# Altium PCB Time4CM4_PCIeCarrier_PCB.PcbDoc (part 3 of 5) (continued)
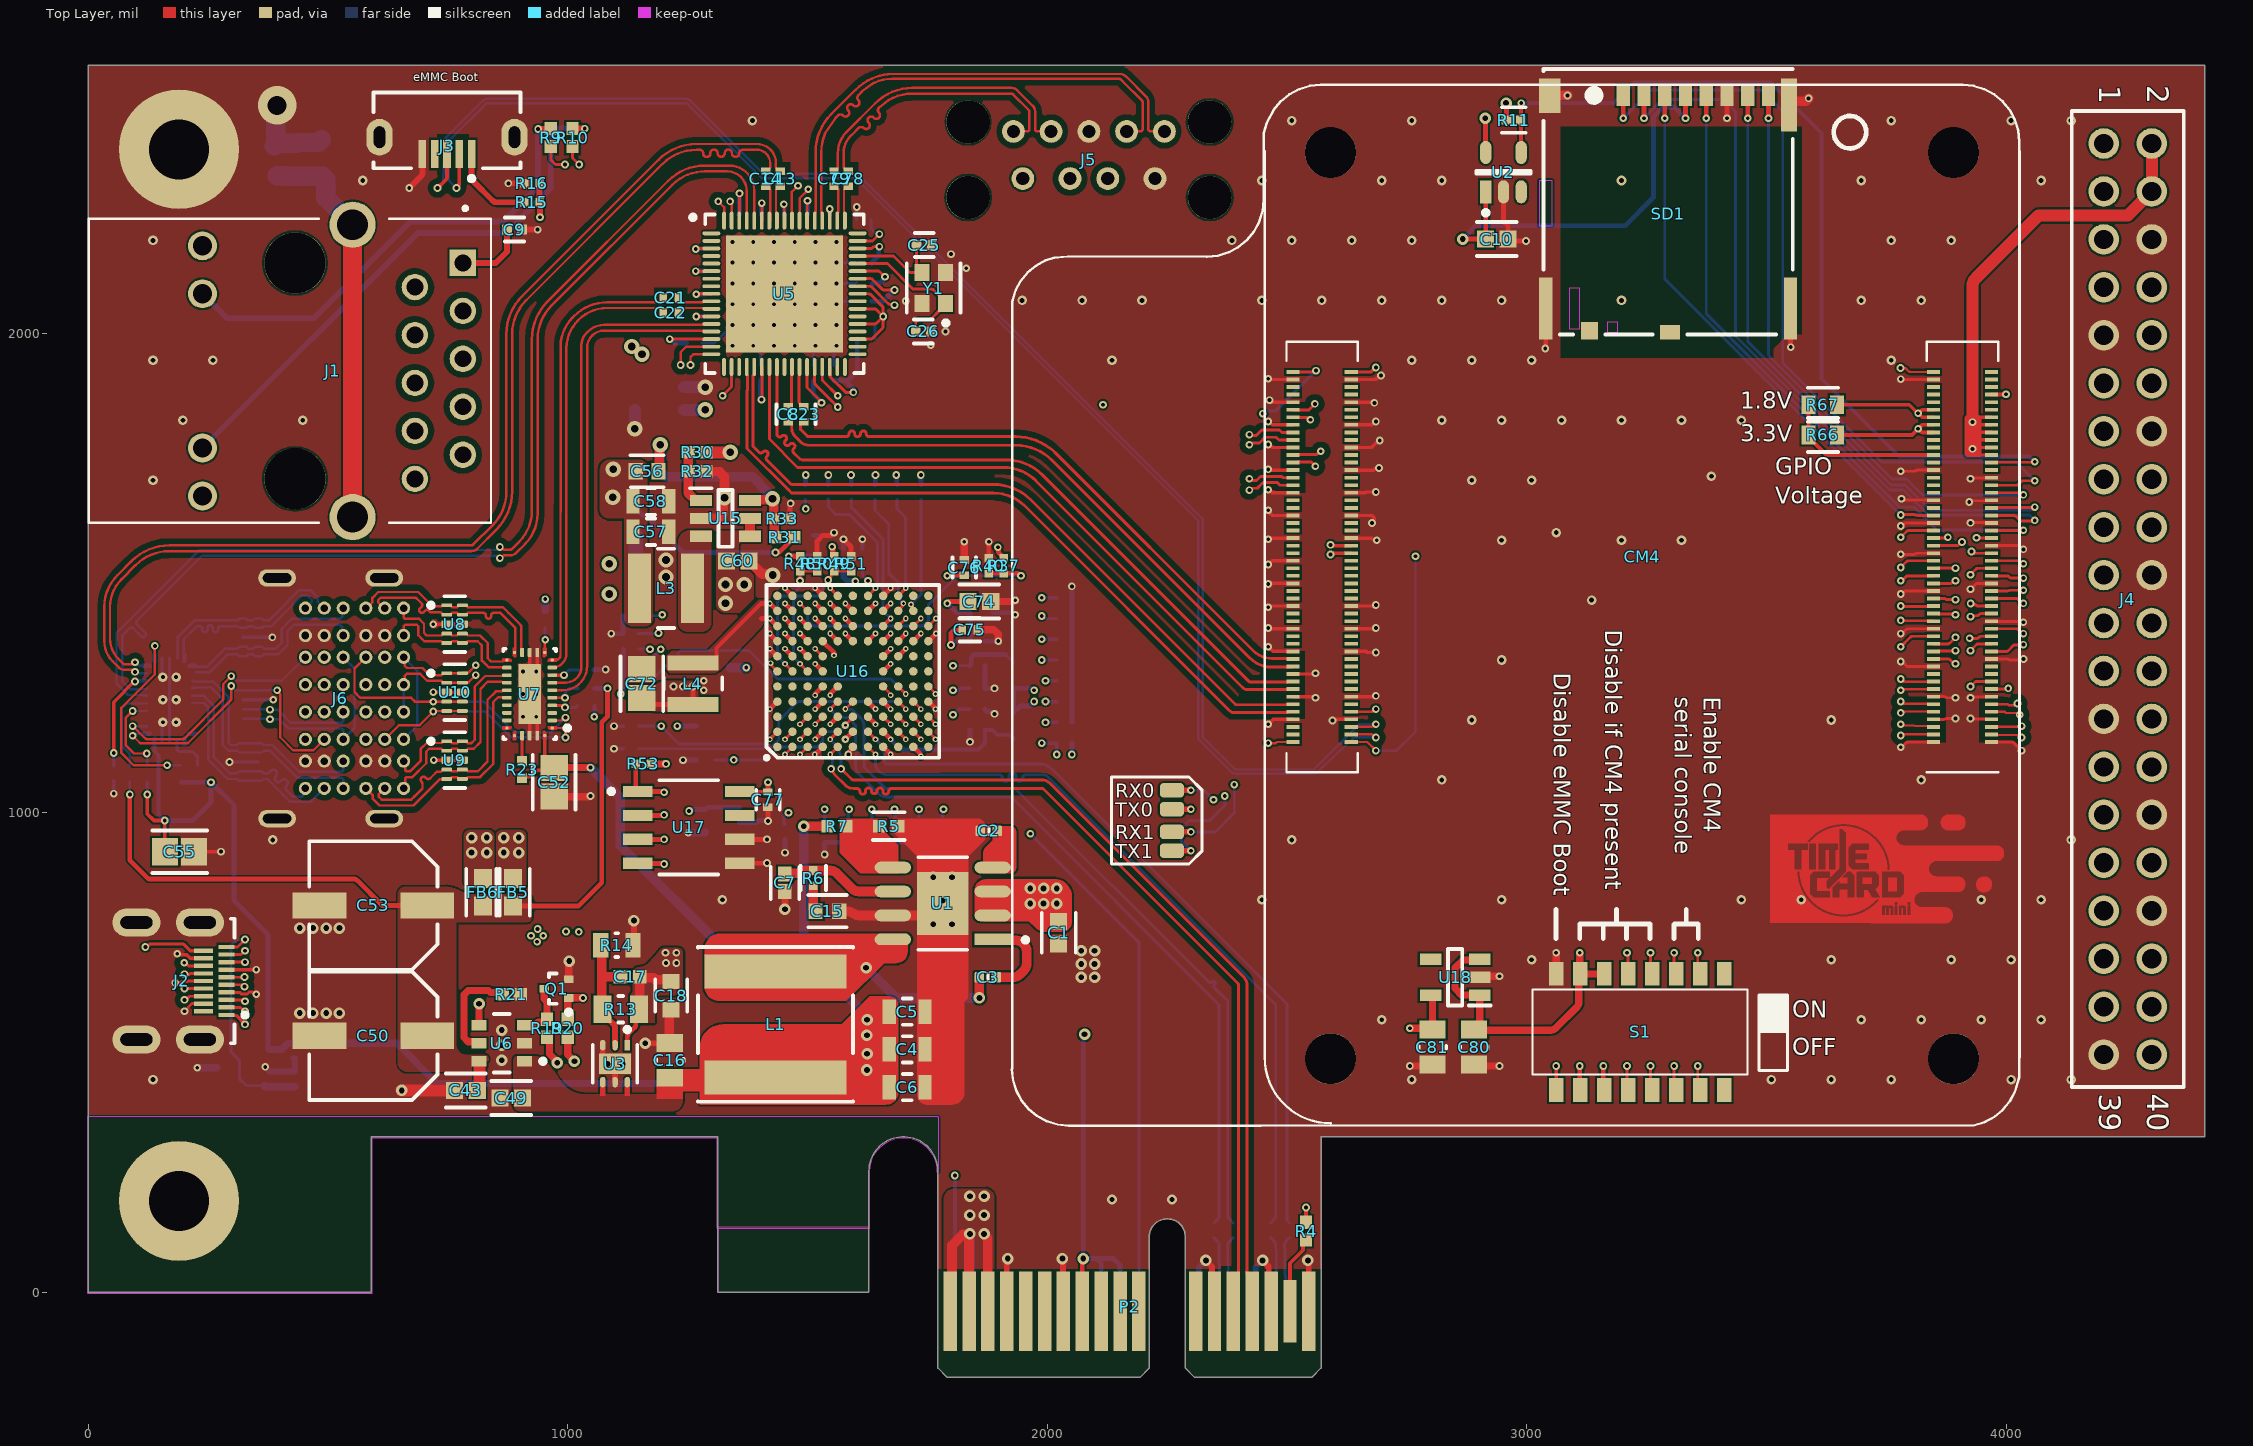
[diagram p0: Top Layer view]
## Nets (pads, with @x,y where several pads share a name; then routed paths per layer and width w, separated by ;. In a path a pad name is that pad's centre, name@x,y a point inside that pad or via, vN(x,y) a via of type N, cw(c..) or ccw(c..) an arc to the next point about the centre after c; other vN are vias at no path point) (continued)
  Top Layer w10: R14.1@1135.86,724.41 R14.1@1137.8,726.34 ; U17.5@1358.27,894.88 1358.66,895.28 1414.96,895.28 v1(1415.35,895.67) ; U17.6@1358.27,944.88 v1(1415.35,944.88) ; v1(1417.32,983.27) C77.1@1417.32,1011.81 ; v3(1421.26,1216.54) U16.A4@1437.01,1232.28 ; v3(1421.26,1342.52) U16.A7@1437.01,1326.77 ; v3(1421.26,1374.02) U16.A8@1437.01,1358.27 ; v3(1452.76,1342.52) U16.B7@1468.5,1326.77 ; v3(1452.76,1374.02) U16.B8@1468.5,1358.27 ; R33.1@1463.58,1613.19 1463.58,1644.69 v1(1464.57,1645.67) ; v3(1484.25,1374.02) U16.C8@1500,1358.27 ; v3(1515,1122.05) ccw(c1509.73,1130.55) 1516.78,1123.46 1529.71,1136.38 cw(c1536.76,1129.3) U16.D1@1531.5,1137.8 ; v3(1515.75,1153.54) U16.D2@1531.5,1169.29 ; v3(1515.75,1216.54) U16.D4@1531.5,1232.28 ; v3(1515.75,1311.02) U16.D6@1531.5,1295.28 ; v3(1515.75,1437.01) U16.D10@1531.5,1421.26 ; v3(1515.75,1468.5) U16.D11@1531.5,1452.76 ; R50.1@1519.68,1535.43 1519.68,1566.93 1531.5,1578.74 1549.21,1578.74 v1(1555.11,1584.64) ; U16.D8@1531.5,1358.27 1530.82,1358.27 1555.12,1333.97 v3(1555.12,1328.74) ; v3(1547.24,1185.04) U16.E3@1562.99,1200.79 ; v3(1547.24,1245.54) 1547.63,1245.93 1547.63,1248.41 U16.E5@1562.99,1263.78 ; v3(1547.24,1405.51) U16.E9@1562.99,1389.76 ; v1(1574.8,1570.87) 1590.55,1555.12 R51.1@1590.55,1535.43 ; v8(1578.74,1153.54) U16.F2@1594.49,1169.29 ; v3(1578.74,1374.02) U16.F8@1594.49,1358.27 ; v1(1585,1122.05) ccw(c1576.15,1126.7) 1585.58,1123.37 cw(c1595,1120.01) 1585.6,1123.44 1586.73,1126.6 cw(c1596.15,1123.22) 1589.06,1130.28 1591.85,1133.07 ccw(c1584.76,1140.12) U16.F1@1594.49,1137.8 ; U16.G3@1625.98,1200.79 1641.73,1185.04 v3(1641.73,1184.79) ; U16.G4@1625.98,1232.28 1641.48,1216.79 v3(1641.73,1216.79) ; U16.H1@1657.48,1137.8 v3(1673.23,1122.05) ; U16.H4@1657.48,1232.28 v3(1673.23,1216.54) ; U16.H6@1657.48,1295.28 v3(1673.23,1311.02) ; U16.H8@1657.48,1358.27 v3(1673.23,1374.02) ; U16.H11@1657.48,1452.76 v3(1673.23,1468.5) ; U16.L4@1751.97,1232.28 1766.14,1218.11 1766.14,1216.92 v3(1766.53,1216.54) ; U16.L8@1751.97,1358.27 v3(1767.72,1374.02) ; R40.1@1877.95,1531.5 v1(1877.95,1565.71) ; U2.2@2951.2,2295.28 2951.2,2233.84 2960.65,2224.39 C10.2@2960.65,2196.85 2964.59,2192.91 v1(2998.03,2192.91) ; v1(3038.39,1968.5) 3039.37,1969.49 SD1.13@3039.37,2051.97 ; v1@3417.32,2448.86 SD1.6@3417.32,2496.06 ; SD1.12@3549.61,2051.97 3549.61,1972.05 v1(3550.2,1971.46)
  Top Layer w12: v1@669.3,2303.16 693.36,2327.22 ccw(c684.85,2335.68) 696.85,2335.68 J3.5@696.85,2374.21 ; v1(875.98,2312.99) R16.1@909.45,2312.99 ; C9.2@904.53,2216.54 v1(937.01,2216.54) ; U3.3@1072.83,515.75 1072.83,492.9 1088.49,477.24 U3.7@1098.43,477.24 ; U3.5@1098.43,438.74 U3.7@1098.43,477.24 ; U3.7@1125.89,476.38 U3.7@1098.43,477.24 ; R14.1@1137.8,726.34 v4(1137.8,775.59) ; v4(1161.42,519.69) C16.2@1211.61,519.69 ; P2.B4@1915.41,-39 1915.41,68.95 v4(1917.32,70.87) ; v4(2031.5,70.87) 2032.51,69.85 2032.51,37.5 P2.B7@2033.52,-39 ; v4(2330.71,66.93) 2330.71,66.61 2343.42,53.9 2343.42,-33.94 P2.B13@2348.48,-39 ; v4(2448.82,66.93) 2448.82,66.61 2461.53,53.9 2461.53,-33.94 P2.B16@2466.59,-39 ; v4(2543.31,66.93) 2545.33,64.91 P2.B18@2545.33,-39
  Top Layer w15: C52.2@971.46,1033.9 1045.44,1033.9 1046.97,1035.43 v1(1047.24,1035.43) ; Q1.2@1001.97,653.54 v4@1001.97,688.98 ; v4(1452.76,799.21) C7.2@1452.76,836 ; C76.1@1826.77,1527.56 v1(1826.77,1565.71) ; C75.1@1854.33,1381.89 1888.85,1381.89 1897.64,1373.1 v1(1897.64,1358.27) ; C74.2@1881.91,1440.94 1930.24,1440.94 1932.8,1443.5 v1(1933.07,1443.5) ; v1(2755.91,472.44) 2800.2,472.44 C81.2@2803.15,475.39 ; C80.2@2889.76,475.39 2892.72,472.44 v1(2942.91,472.44) ; U18.2@2901.57,657.48 2903.54,659.45 v1(2942.91,659.45) ; v1(3061.02,708.66) 3061.02,708.39 3061.22,708.19 S1.8@3061.22,664.37
  Top Layer w20: C16.2@1211.61,519.69 1211.61,585.63 C18.2@1215.55,589.57 ; U15.2@1277.56,1614.17 1315.06,1614.17 1324.48,1623.59 1324.48,1655.18 v6(1326.77,1657.48) 1326.77,1700.88 1316.22,1711.43 1289.55,1711.43 R32.1@1288.39,1712.6 ; C60.2@1377.95,1525.59 1405.16,1498.36 1424.87,1498.36 v6(1427.17,1496.06) ; C15.2@1566.02,795.28 1570.95,795.28 1582.27,795.28 cw(c1582.27,775.28) 1593.51,791.81 1596.56,789.74 ccw(c1607.89,806.22) 1607.89,786.22 U1.7@1677.85,786.22 1756.84,786.22 U1.9@1781.84,811.22 ; SD1.14@3048.03,2495.47 3048.87,2496.32 v1(3084.65,2496.32) ; SD1.11@3546.46,2476.38 3546.46,2477.3 3553.39,2484.23 3581.67,2484.23 v1(3587.6,2490.16)
  Top Layer w25: v4(653.54,421.26) C43.2@763.76,421.26
  Bottom Layer w6: R44.1@1114.35,1410.25 R44.1@1115.16,1411.06 ; C36.1@1279.53,1980.32 1306.1,1980.32 v5(1343.5,2017.72) ; v5@1339.8,2190.94 v5(1343.5,2190.94) ; v5(1386.81,1974.41) 1401.57,1959.65 C39.1@1401.57,1933.07 ; C27.1@1511.81,1933.07 1511.81,1965.78 1516.73,1970.71 v5(1516.73,1974.41) ; C42.1@1555.12,1933.07 1555.12,1965.78 1560.04,1970.71 v5(1560.04,1974.41) ; v5(1560.04,2061.02) 1563.74,2061.02 1569.65,2066.93 C28.1@1602.36,2066.93 ; v5(1560.04,2104.33) 1600.39,2104.33 C40.1@1602.36,2106.3 ; v5(1560.04,2147.64) 1600.39,2147.64 C41.1@1602.36,2145.67 ; R18.1@1602.36,2236.22 v1(1602.36,2263.78)
  Bottom Layer w7: v1(53.15,1040.35) C54.2@53.15,1066.93 ; U11.29@153.54,1149.61 153.54,1187.01 v7(155.51,1188.98) ; U11.12@153.54,1322.83 153.54,1285.43 v7(155.51,1283.46) ; U11.28@169.29,1149.61 U11.31@169.29,1236.22 U11.13@169.29,1322.83 ; v1(294.29,1106.3) U13.8@321.46,1106.3 U13.3@354.33,1106.3 ; U12.8@322.15,1366.14 U12.3@355.02,1366.14 v1(383.86,1366.14) ; U14.3@322.83,1236.22 U14.8@355.71,1236.22 v1(385.83,1236.22) ; v1(1096.46,1133.86) R2.1@1116.14,1133.86 ; v1(1096.46,1181.1) R52.2@1116.14,1181.1
  Bottom Layer w10: C51.2@1054.13,1298.23 1055.12,1299.21 v1(1078.74,1299.21) ; v1(1090.55,1374.02) 1091,1373.57 R43.1@1115.16,1373.57 R44.1@1115.16,1411.06 ; C19.2@1139.76,1840.53 C19.2@1143.72,1844.49 ; v1(1240.16,1110.24) R34.2@1267.72,1110.24 ; C70.1@1358.27,980.32 1393.7,980.32 1397.64,984.25 1416.34,984.25 v1(1417.32,983.27) ; v1(1452.76,917.32) R56.2@1452.76,944.88 ; R42.1@1494.63,1685.04 1495.35,1685.76 1495.35,1704.01 v1(1496.06,1704.72) ; C65.2@1511.83,1578.74 1549.21,1578.74 v1(1555.11,1584.64) ; v1(1535.43,913.39) R55.2@1535.43,938.98 R59.2@1584.65,938.98 R57.2@1633.86,938.98 R54.2@1683.07,938.98 R58.2@1732.28,938.98 R1.1@1781.5,938.98 ; R41.1@1542.95,1685.04 1543.13,1685.22 1543.13,1704.55 v1(1543.31,1704.72) ; C64.1@1574.8,1551.18 v1(1574.8,1570.87) ; v1(1590.55,1704.72) 1590.91,1704.37 1590.91,1685.4 R39.1@1591.27,1685.04 ; C69.1@1614.17,1551.18 v1(1614.17,1570.87) ; R36.1@1640.66,1685.04 1641.19,1685.58 1641.19,1704.19 v1(1641.73,1704.72) ; v1(1685.04,1704.72) 1685.93,1703.83 1685.93,1685.93 R38.1@1686.83,1685.04 ; R35.1@1736.22,1685.04 v1(1736.22,1704.72) ; v1(1838.58,1148.23) C73.1@1838.58,1173.23 ; C62.1@1870.08,1216.54 1870.08,1214.57 1872.95,1211.69 1881.17,1211.69 1883.26,1209.6 1885.14,1209.6 1888.14,1206.6 v1(1889.76,1206.6) ; C68.1@1870.08,1307.09 C63.1@1870.08,1259.84 v1(1889.76,1259.84) ; C67.1@1870.08,1358.27 v1(1897.64,1358.27) ; C66.2@1885.85,1417.32 1927.51,1417.32 1931.45,1413.39 v1(1933.07,1413.39) ; R60.2@2051.18,1188.98 R65.1@2051.18,1318.9 R8.1@2051.18,1448.82 v1(2051.18,1472.44)
  Bottom Layer w12: v1(369.09,470.47) 369.09,470.03 378.12,461 430.73,461 431.1,461.38 C48.1@431.1,488.19 427.63,488.19 C48.1@427.26,487.82 ; P2.A4@1915.41,-39 1915.41,68.95 v4(1917.32,70.87) ; P2.A12@2309.11,-39 2315.92,-32.19 2315.92,52.14 v4(2330.71,66.93) ; P2.A15@2427.22,-39 2434.03,-32.19 2434.03,52.14 v4(2448.82,66.93) ; v4(2543.31,66.93) 2545.33,64.91 P2.A18@2545.33,-39
  Bottom Layer w15: v1(227.36,468.5) U4.3@267.72,468.5 ; v1(1250.98,958.66) 1285.46,958.66 C71.2@1287.4,960.61
  Bottom Layer w25: v6(1139.76,1801.18) C19.2@1139.76,1840.53 ; C20.2@1242.13,1887.82 v6@1285.42,1887.81
  Bottom Layer w40: v9(393.7,2475.62) 390.75,2472.67 390.75,2393.93 C12.2@387.8,2390.98 393.48,2396.66 436.03,2396.66 437.25,2397.88 479.55,2397.88 R12.1@486.22,2404.55
  other v1: 3925.2,1196.85 1283.46,1255.91 1283.46,1275.59 1756.94,1975.77 1787.46,2003.93 1704.72,2067.65 1830.71,2135.83 1799.21,2165.35 669.29,2303.15 3417.32,2448.82
  other v2: 2134.84,193.9 2259.84,193.9 134.84,443.9 2759.84,443.9 3509.84,443.9 3634.84,443.9 3759.84,443.9 4009.84,443.9 4134.84,443.9 2697.34,568.9 3697.34,568.9 3822.34,568.9 3947.34,568.9 4072.34,568.9 3009.84,693.9 3634.84,693.9 3884.84,693.9 4009.84,693.9 1322.34,818.9 2447.34,818.9 2947.34,818.9 3447.34,818.9 3572.34,818.9 3947.34,818.9 4072.34,818.9 384.84,943.9 2509.84,943.9 4134.84,943.9 2822.34,1068.9 3822.34,1068.9 2884.84,1193.9 3634.84,1193.9 2947.34,1318.9 3134.84,1443.9 2947.34,1568.9 3197.34,1568.9 3322.34,1568.9 3061.02,1584.64 134.84,1693.9 2884.84,1693.9 3009.84,1693.9 3384.84,1702.23 197.34,1818.9 447.34,1818.9 2822.34,1818.9 2947.34,1818.9 3072.34,1818.9 3197.34,1818.9 3322.34,1818.9 3447.34,1818.9 134.84,1943.9 259.84,1943.9 2134.84,1943.9 2759.84,1943.9 2884.84,1943.9 3009.84,1943.9 3759.84,1943.9 1947.34,2068.9 2072.34,2068.9 2197.34,2068.9 2447.34,2068.9 2572.34,2068.9 2697.34,2068.9 2822.34,2068.9 2947.34,2068.9 3197.34,2068.9 3697.34,2068.9 3822.34,2068.9 134.84,2193.9 2384.84,2193.9 2509.84,2193.9 2634.84,2193.9 2759.84,2193.9 3759.84,2193.9 3884.84,2193.9 572.34,2318.9 2447.34,2318.9 2697.34,2318.9 2822.34,2318.9 3197.34,2318.9 3697.34,2318.9 4072.34,2318.9 1384.84,2443.9 2509.84,2443.9 2759.84,2443.9 3759.84,2443.9 4009.84,2443.9 4134.84,2443.9
  other v4: 1082.68,476.38 1114.17,476.38 862.2,484.25 862.2,515.75 862.2,547.24 440.94,582.68 468.5,582.68 496.06,582.68 523.62,582.68 2070.87,657.48 2098.43,657.48 2070.87,685.04 2098.43,685.04 1002.84,691.24 2070.87,712.6 2098.43,712.6 440.94,759.84 468.5,759.84 496.06,759.84 523.62,759.84 1761.81,767.72 1801.18,767.72 1781.5,816.93 1761.81,866.14 1801.18,866.14
  other v5: 1343.5,1974.41 1430.12,1974.41 1473.43,1974.41 1386.81,2017.72 1430.12,2017.72 1473.43,2017.72 1516.73,2017.72 1560.04,2017.72 1343.5,2061.02 1386.81,2061.02 1430.12,2061.02 1473.43,2061.02 1516.73,2061.02 1343.5,2104.33 1386.81,2104.33 1430.12,2104.33 1473.43,2104.33 1516.73,2104.33 1343.5,2147.64 1386.81,2147.64 1430.12,2147.64 1473.43,2147.64 1516.73,2147.64 1386.81,2190.94 1430.12,2190.94 1473.43,2190.94 1516.73,2190.94 1560.04,2190.94
  other v6: 1204.72,1492.13 1204.72,1527.56 1286.42,1887.8
  other v7: 183.07,1188.98 906.5,1200.79 155.51,1236.22 183.07,1236.22 906.5,1248.03 934.06,1248.03 183.07,1283.46 906.5,1295.28 934.06,1295.28
GNSS_RESET: CM4.25 J4.40 | length 1270.8
  Top Layer w6: CM4.25@3968.96,1336.97 3999.84,1336.97 ccw(c3999.84,1342.97) 4004.07,1338.71 4014.01,1348.65 cw(c4018.23,1344.39) 4018.23,1350.39 4034.76,1350.39 v1(4035.43,1351.06)
  Int4 (PWR) w6: v1(4035.43,1351.06) 4036.1,1350.39 4135.31,1350.39 ccw(c4135.31,1356.39) 4139.53,1352.13 4140.62,1353.21 cw(c4144.84,1348.95) 4144.84,1354.95 4327.6,1354.95 cw(c4327.6,1348.95) 4331.84,1353.2 4368.64,1316.4 cw(c4364.39,1312.16) 4370.39,1312.16 4370.39,565.79 cw(c4364.39,565.79) 4368.65,561.57 J4.40@4303.15,496.06
GPIO_0: CM4.36 J4.27 S1.2 | length 1681.1
  Top Layer w6: S1.2@3356.3,669.29 v1(3356.3,708.66) ; CM4.36@3847.7,1415.71 3858.48,1414.78 3889.86,1414.78 cw(c3889.86,1408.78) v1(3893.7,1413.39)
  Top Layer w15: S1.2@3356.3,669.29 S1.2@3361.22,664.37
  Int2 (Sign) w6: v1(3893.7,1413.39) 3862.2,1381.89 3862.2,1307.09 3874.02,1295.28 4015.75,1295.28 4203.15,1107.87 J4.27@4203.15,1096.06
  Int3 (Sign) w6: v1(3356.3,708.66) 3356.3,1053.15 3719.72,1416.57 3791.97,1416.57 3795.15,1413.39 v1(3893.7,1413.39)
GPIO_1: CM4.35 J4.28 S1.3 | length 1894.9
  Top Layer w6: v1(3307.09,708.66) 3307.09,668.5 S1.3@3311.22,664.37 ; v1(3925.2,1409.45) 3925.37,1409.62 cw(c3929.6,1405.36) 3929.6,1411.36 3938.36,1411.36 ccw(c3938.36,1417.36) 3942.58,1413.1 3943.46,1413.97 cw(c3947.68,1409.71) 3947.68,1415.71 CM4.35@3968.96,1415.71
  Int4 (PWR) w6: v1(3925.2,1409.45) 3925.31,1409.33 3925.31,1397.52 4016.77,1306.06 4124.96,1306.06 4151.8,1332.91 cw(c4156.03,1328.65) 4156.03,1334.65 4197.94,1334.65 ccw(c4197.91,1340.65) 4198.58,1334.68 cw(c4203.15,1296.06) 4207.73,1334.68 ccw(c4208.39,1340.65) 4208.36,1334.65 4233.74,1334.65 cw(c4233.74,1328.65) 4237.96,1332.91 4250.23,1320.64 cw(c4245.97,1316.41) 4251.97,1316.41 4251.97,1149.73 ccw(c4257.97,1149.73) 4253.73,1145.48 J4.28@4303.15,1096.06
  Int3 (Sign) w6: v1(3307.09,708.66) 3336.61,679.13 3533.46,679.13 3966.54,1112.2 3966.54,1368.11 v1(3925.2,1409.45)
GPIO_2: CM4.58 J4.3 | length 972.4
  Top Layer w6: v1(3779.53,1574.8) 3791.93,1587.2 cw(c3796.15,1582.94) 3796.15,1588.94 CM4.58@3847.7,1588.94
  Int4 (PWR) w6: v1(3779.53,1574.8) 3937.01,1732.28 3940.32,1732.28 4148.62,1940.59 4148.62,2241.54 J4.3@4203.15,2296.06
GPIO_3: CM4.56 J4.5 | length 786.9
  Top Layer w6: CM4.56@3847.7,1573.19 3876.34,1573.19 v1(3877.95,1574.8)
  Int2 (Sign) w6: v1(3877.95,1574.8) 3893.97,1590.82 3893.97,1886.89 J4.5@4203.15,2196.06
GPIO_4: CM4.54 J4.7 | length 822.5
  Top Layer w6: CM4.54@3847.7,1557.45 3898.97,1557.45 3906.48,1564.96 v1(3907.48,1564.96)
  Int4 (PWR) w6: v1(3907.48,1564.96) 3907.48,1611.17 3991.14,1694.83 3991.14,1741.76 4107.65,1858.27 4193.33,1858.27 cw(c4193.3,1852.27) 4194.59,1858.13 ccw(c4203.15,1896.06) 4211.66,1858.12 cw(c4213,1852.27) 4212.97,1858.27 4229.8,1858.27 ccw(c4229.8,1864.27) 4234.02,1860.01 4242.36,1868.34 ccw(c4238.09,1872.56) 4244.09,1872.56 4244.09,2044.76 ccw(c4238.09,2044.76) 4242.31,2049.03 4204.89,2086.45 cw(c4209.15,2090.67) 4203.15,2090.67 J4.7@4203.15,2096.06
GPIO_5: CM4.34 J4.29 | length 759.3
  Top Layer w6: v1(3779.53,1401.57) ccw(c3782.53,1406.77) 3782.49,1400.77 3836.92,1400.77 CM4.34@3847.7,1399.97
  Int4 (PWR) w6: v1(3779.53,1401.57) 3828.95,1352.15 cw(c3824.71,1347.91) 3830.71,1347.91 3830.71,1181.98 ccw(c3836.71,1181.98) 3832.45,1177.76 4012.4,997.8 ccw(c4016.63,1002.06) 4016.63,996.06 J4.29@4203.15,996.06
GPIO_6: CM4.30 J4.31 | length 762.5
  Top Layer w6: v1(3779.53,1346.46) 3799.8,1366.73 cw(c3804.03,1362.47) 3804.03,1368.47 CM4.30@3847.7,1368.47
  Int4 (PWR) w6: v1(3779.53,1346.46) 3817.14,1308.84 cw(c3812.9,1304.6) 3818.9,1304.6 3818.9,1179.65 ccw(c3824.9,1179.65) 3820.64,1175.43 4098.26,897.8 ccw(c4102.49,902.06) 4102.49,896.06 J4.31@4203.15,896.06
GPIO_7: CM4.37 J4.26 | length 672.4
  Top Layer w6: v1(3925.39,1436.81) ccw(c3929.6,1441.09) 3929.56,1435.09 3932.5,1435.09 cw(c3932.5,1429.09) 3936.74,1433.34 3936.85,1433.23 ccw(c3941.1,1437.46) 3941.1,1431.46 CM4.37@3968.96,1431.46
  Int4 (PWR) w6: v1(3925.39,1436.81) 3943.12,1419.08 3946.62,1415.58 3946.62,1402.17 4012.72,1336.06 4041.71,1336.06 4042.38,1335.39 4140.15,1335.39 4147.97,1343.21 cw(c4152.19,1338.95) 4152.19,1344.95 4321.85,1344.95 cw(c4321.85,1338.95) 4326.08,1343.21 4345.29,1324 4345.29,1240.69 cw(c4339.29,1240.69) 4343.55,1236.47 4309.85,1202.76 ccw(c4314.11,1198.54) 4308.94,1201.59 4307.34,1198.9 cw(c4302.19,1201.99) J4.26@4303.15,1196.06
GPIO_8: CM4.39 J4.24 | length 396.3
  Top Layer w6: CM4.39@3968.96,1447.21 4020.04,1447.21 cw(c4020.04,1441.21) 4024.33,1445.41 4030.97,1438.77 ccw(c4035.21,1443.01) 4035.21,1437.01 v1(4035.43,1437.01)
  Int2 (Sign) w6: v1(4035.43,1437.01) 4122.05,1350.39 4248.82,1350.39 J4.24@4303.15,1296.06
GPIO_9: CM4.40 J4.21 | length 380.2
  Top Layer w6: CM4.40@3847.7,1447.21 3869.66,1447.21 cw(c3869.66,1441.21) 3872.61,1446.44 3874.02,1445.65 ccw(c3876.96,1450.88) 3876.96,1444.88 v1(3893.7,1444.88)
  Int4 (PWR) w6: v1(3893.7,1444.88) cw(c3895.73,1439.24) 3895.7,1445.24 3908.22,1445.24 ccw(c3908.22,1451.24) 3912.44,1446.98 3915.54,1450.07 cw(c3919.76,1445.81) 3919.76,1451.81 3935.47,1451.81 cw(c3935.47,1445.81) 3939.71,1450.05 3970.67,1419.1 ccw(c3974.93,1423.32) 3974.93,1417.32 4082.61,1417.32 cw(c4082.61,1411.32) 4086.85,1415.57 4104.58,1397.84 ccw(c4108.84,1402.06) 4108.84,1396.06 J4.21@4203.15,1396.06
GPIO_10: CM4.44 J4.19 | length 370.1
  Top Layer w6: CM4.44@3847.7,1478.71 3882.96,1478.71 ccw(c3882.96,1484.71) 3887.19,1480.44 3889.26,1482.51 cw(c3893.48,1478.25) 3893.48,1484.25 v1(3893.7,1484.25)
  Int4 (PWR) w6: v1(3893.7,1484.25) 3893.88,1484.08 ccw(c3898.1,1488.34) 3898.1,1482.34 3899.75,1482.34 cw(c3899.75,1476.34) 3900.65,1482.27 3903.24,1481.88 ccw(c3904.15,1487.81) 3904.15,1481.81 3943.89,1481.81 ccw(c3943.89,1487.81) 3948.12,1483.55 3967.51,1502.95 cw(c3971.74,1498.69) 3971.74,1504.69 4192.04,1504.69 cw(c4192.04,1498.69) 4196.28,1502.93 J4.19@4203.15,1496.06
GPIO_11: CM4.38 J4.23 | length 549.3
  Top Layer w6: v1(3779.53,1431.57) 3780.58,1430.52 3836.92,1430.52 CM4.38@3847.7,1431.46
  Int4 (PWR) w6: v1(3779.53,1431.57) 3779.53,1429.13 3817.16,1391.5 ccw(c3821.38,1395.76) 3821.38,1389.76 3916.44,1389.76 cw(c3916.44,1383.76) 3920.67,1388.03 4012.63,1296.06 J4.23@4203.15,1296.06
GPIO_12: CM4.31 J4.32 | length 703
  Top Layer w6: CM4.31@3968.96,1384.22 4020.04,1384.22 cw(c4020.04,1378.22) 4024.33,1382.41 4030.97,1375.78 ccw(c4035.21,1380.02) 4035.21,1374.02 v1(4035.43,1374.02)
  Int2 (Sign) w6: v1(4035.43,1374.02) 4015.75,1354.33 4015.75,1314.96 4181.1,1149.61 4228.35,1149.61 4254.33,1123.62 4254.33,944.88 J4.32@4303.15,896.06
GPIO_13: CM4.28 J4.33 | length 964.8
  Top Layer w6: CM4.28@3847.7,1352.72 3877.8,1352.72 ccw(c3877.8,1358.72) 3882.02,1354.46 v1(3893.7,1366.14)
  Int4 (PWR) w6: v1(3893.7,1366.14) 3843.94,1316.38 ccw(c3848.2,1312.16) 3842.2,1312.16 3842.2,1184.63 ccw(c3848.2,1184.63) 3843.94,1180.4 3987.49,1036.86 ccw(c3991.71,1041.12) 3991.71,1035.12 4226.18,1035.12 cw(c4226.18,1029.12) 4230.42,1033.36 4242.33,1021.45 cw(c4238.09,1017.2) 4244.09,1017.2 4244.09,839.49 cw(c4238.09,839.49) 4242.36,835.27 J4.33@4203.15,796.06
GPIO_16: CM4.29 J4.36 | length 1018.2
  Top Layer w6: v1(3923.27,1364.21) 3938.45,1364.21 ccw(c3938.45,1370.21) 3942.68,1365.95 3943.46,1366.73 cw(c3947.68,1362.47) 3947.68,1368.47 CM4.29@3968.96,1368.47
  Int4 (PWR) w6: v1(3923.27,1364.21) 3911.19,1352.13 ccw(c3915.45,1347.91) 3909.45,1347.91 3909.45,1329.26 ccw(c3915.45,1329.26) 3911.24,1324.98 3918.07,1318.15 3940.2,1296.02 3979.57,1296.02 4000.75,1274.84 4021.96,1274.84 4157.2,1139.61 4230.47,1139.61 4244.12,1125.96 cw(c4239.91,1121.69) 4245.91,1121.65 4245.91,1086.65 ; 4245.91,1086.62 ccw(c4251.91,1086.65) 4247.67,1082.4 4287.15,1042.92 ccw(c4291.38,1047.18) 4291.38,1041.18 4318.54,1041.18 cw(c4318.54,1035.18) 4322.76,1039.44 4348.61,1013.59 cw(c4344.39,1009.33) 4350.39,1009.29 4350.39,745.79 cw(c4344.39,745.79) 4348.65,741.57 J4.36@4303.15,696.06
GPIO_17: CM4.50 J4.11 | length 686.5
  Top Layer w6: v1(3779.53,1511.81) 3791.93,1524.21 cw(c3796.15,1519.95) 3796.15,1525.95 CM4.50@3847.7,1525.95
  Int4 (PWR) w6: v1(3779.53,1511.81) 3891.73,1624.02 3891.73,1642.72 3922.24,1673.23 3940.94,1673.23 3973.43,1705.71 3973.43,1738.19 4131.3,1896.06 J4.11@4203.15,1896.06
GPIO_18: CM4.49 J4.12 | length 732.5
  Top Layer w6: CM4.49@3968.96,1525.95 4023.98,1525.95 cw(c4023.98,1519.95) 4028.25,1524.16 4030.95,1521.46 ccw(c4035.21,1525.69) 4035.21,1519.69 v1(4035.43,1519.69)
  Int4 (PWR) w6: v1(4035.43,1519.69) 4099.88,1519.69 ccw(c4099.88,1525.69) 4104.1,1521.42 4122.12,1539.44 cw(c4126.34,1535.18) 4126.34,1541.18 4223.74,1541.18 ccw(c4223.74,1547.18) 4227.96,1542.92 4256.29,1571.25 ccw(c4252.03,1575.48) 4258.03,1575.48 4258.03,1617.75 cw(c4264.03,1617.75) 4259.77,1621.97 4277.79,1639.99 cw(c4282.01,1635.73) 4282.01,1641.73 4324.29,1641.73 ccw(c4324.29,1647.73) 4328.51,1643.47 4364.4,1679.36 ccw(c4360.14,1683.59) 4366.14,1683.59 4366.14,1830.59 ccw(c4360.14,1830.59) 4364.38,1834.83 J4.12@4303.18,1896.04
GPIO_19: CM4.26 J4.35 | length 1033.1
  Top Layer w6: CM4.26@3847.7,1336.97 3858.48,1337.78 3890.7,1337.78 ccw(c3890.7,1343.78) v1(3893.7,1338.58)
  Int4 (PWR) w6: v1(3893.7,1338.58) 3853.94,1298.82 ccw(c3858.2,1294.6) 3852.2,1294.6 3852.2,1188.77 ccw(c3858.2,1188.77) 3853.94,1184.55 3991.63,1046.86 ccw(c3995.86,1051.12) 3995.86,1045.12 4231.92,1045.12 cw(c4231.92,1039.12) 4236.17,1043.36 4252.31,1027.22 cw(c4248.09,1022.95) 4254.09,1022.95 4254.09,749.49 cw(c4248.09,749.49) 4252.36,745.27 J4.35@4203.15,696.06
GPIO_20: CM4.27 J4.38 | length 1083.4
  Top Layer w6: v1(3925.2,1338.58) ccw(c3921.14,1343) 3925.36,1338.74 3937.6,1350.98 cw(c3941.83,1346.72) 3941.83,1352.72 CM4.27@3968.96,1352.72
  Int4 (PWR) w6: v1(3925.2,1338.58) 3949.8,1313.98 3975.76,1313.98 4004.89,1284.84 4026.1,1284.84 4161.34,1149.61 4232.13,1149.61 cw(c4232.13,1143.61) 4236.35,1147.87 4254.13,1130.09 cw(c4249.91,1125.83) 4255.91,1125.8 4255.91,1090.79 ; 4255.91,1090.76 ccw(c4261.91,1090.79) 4257.66,1086.55 4291.29,1052.92 ccw(c4295.52,1057.18) 4295.52,1051.18 4322.68,1051.18 cw(c4322.68,1045.18) 4326.9,1049.44 4358.6,1017.75 4360.39,1015.95 4360.39,662.09 cw(c4354.39,662.09) 4358.65,657.87 4304.89,604.1 ccw(c4309.15,599.88) 4303.15,599.88 J4.38@4303.15,596.06
GPIO_22: CM4.46 J4.15 | length 582.5
  Top Layer w6: v1(3779.53,1484.25) 3779.75,1484.25 ccw(c3779.75,1490.25) 3783.97,1485.99 3790.7,1492.71 cw(c3794.92,1488.45) 3794.92,1494.45 CM4.46@3847.7,1494.45
  Int4 (PWR) w6: v1(3779.53,1484.25) 3796.73,1484.25 ccw(c3796.73,1490.25) 3800.95,1485.99 3840.55,1525.59 3938.98,1525.59 3986.33,1572.95 cw(c3990.56,1568.69) 3990.56,1574.69 4079.29,1574.69 ccw(c4079.29,1580.69) 4083.51,1576.42 J4.15@4203.15,1696.06
GPIO_23: CM4.47 J4.16 | length 545.3
  Top Layer w6: v1(3925.2,1496.81) cw(c3930.61,1494.22) 3926.33,1498.43 3936.37,1508.46 cw(c3940.59,1504.2) 3940.59,1510.2 CM4.47@3968.96,1510.2
  Int4 (PWR) w6: v1(3925.2,1496.81) 3944.75,1496.81 ccw(c3944.75,1502.81) 3948.97,1498.55 3983.37,1532.95 cw(c3987.6,1528.69) 3987.6,1534.69 4096.81,1534.69 ccw(c4096.81,1540.69) 4101.03,1536.42 4114.05,1549.44 cw(c4118.27,1545.18) 4118.27,1551.18 4219.59,1551.18 ccw(c4219.59,1557.18) 4223.82,1552.92 4246.29,1575.4 ccw(c4242.03,1579.62) 4248.03,1579.62 4248.03,1638.46 cw(c4254.03,1638.46) 4249.77,1642.68 J4.16@4303.15,1696.06
GPIO_24: CM4.45 J4.18 | length 457.8
  Top Layer w6: CM4.45@3968.96,1494.45 4001.16,1494.45 cw(c4001.16,1488.45) 4005.44,1492.66 4006.65,1491.44 ccw(c4010.9,1495.69) 4010.9,1489.69 v1(4035.43,1489.69)
  Int4 (PWR) w6: v1(4035.43,1489.69) 4062.95,1489.69 cw(c4062.95,1483.69) 4067.17,1487.95 4100.62,1454.49 ccw(c4104.85,1458.76) 4104.85,1452.76 4241.61,1452.76 ccw(c4241.61,1458.76) 4245.83,1454.49 4254.17,1462.83 ccw(c4249.91,1467.05) 4255.91,1467.05 4255.91,1529.01 cw(c4261.91,1529.01) 4257.64,1533.23 4287.22,1562.81 ccw(c4282.96,1567.03) 4288.17,1564.06 4289.61,1566.59 cw(c4294.84,1563.63) 4290.57,1567.85 4301.41,1578.69 ccw(c4297.15,1582.91) 4303.15,1582.91 J4.18@4303.15,1596.06
GPIO_25: CM4.41 J4.22 | length 362
  Top Layer w6: CM4.41@3968.96,1462.96 4001.52,1462.96 ccw(c4001.52,1468.96) 4003.55,1463.31 4006.05,1464.21 cw(c4008.09,1458.57) 4008.09,1464.57 v1(4035.43,1464.57)
  Int4 (PWR) w6: v1(4035.43,1464.57) 4068.38,1464.57 cw(c4068.38,1458.57) 4072.6,1462.83 4090.94,1444.49 ccw(c4095.16,1448.76) 4095.16,1442.76 4253.97,1442.76 cw(c4253.97,1436.76) 4258.21,1441 J4.22@4303.15,1396.06
GPIO_26: CM4.24 J4.37 | length 1107.1
  Top Layer w6: CM4.24@3847.7,1321.23 3878.31,1321.23 cw(c3878.31,1315.23) 3882.6,1319.42 3889.23,1312.78 ccw(c3893.48,1317.02) 3893.48,1311.02 v1(3893.7,1311.02)
  Int4 (PWR) w6: v1(3893.7,1311.02) 3866.27,1283.6 ccw(c3870.54,1279.37) 3864.54,1279.37 3864.54,1190.58 ccw(c3870.54,1190.58) 3866.27,1186.36 3995.77,1056.86 ccw(c4000,1061.12) 4000,1055.12 4236.07,1055.12 cw(c4236.07,1049.12) 4240.33,1053.34 4262.32,1031.35 cw(c4258.09,1027.09) 4264.09,1027.09 4264.09,659.49 cw(c4258.09,659.49) 4262.36,655.27 J4.37@4203.15,596.06
GPIO_27: CM4.48 J4.13 | length 607
  Top Layer w6: CM4.48@3847.7,1510.2 3858.48,1511.01 3890.7,1511.01 v1(3893.7,1510.59)
  Int4 (PWR) w6: v1(3893.7,1510.59) 3894.92,1511.81 3938.46,1511.81 ccw(c3938.46,1517.81) 3942.68,1513.55 3992.08,1562.95 cw(c3996.3,1558.69) 3996.3,1564.69 4105.51,1564.69 ccw(c4105.51,1570.69) 4109.73,1566.42 4187.24,1643.93 cw(c4191.46,1639.67) 4191.46,1645.67 4225.86,1645.67 ccw(c4225.86,1651.67) 4230.08,1647.41 4240.3,1657.62 ccw(c4236.04,1661.85) 4242.04,1661.85 4242.04,1754.69 ccw(c4236.04,1754.69) 4240.28,1758.93 J4.13@4203.15,1796.06
GPIO_44: CM4.82
GPIO_45: CM4.80
GPIO_VREF: CM4.78 R66.1 R67.1 | length 345.6
  Top Layer w6: R67.1@3593.49,1860.51 R67.1@3593.49,1862.19
  Top Layer w8: R66.1@3585.14,1785.93 3598.36,1772.7 3624.64,1746.42 CM4.78@3847.7,1746.42 ; R66.1@3587.6,1788.39 R67.1@3587.6,1851.38 R67.1@3587.6,1853.35
HDMI0_CEC: CM4.151 J2.15 | length 3267.9
  Top Layer w6: J2.15@288.39,688.98 v1(326.77,688.98)
  Top Layer w7: v1(2590.55,1539.06) 2592.99,1539.06 2595.63,1541.7 CM4.151@2633.52,1541.7
  Int4 (PWR) w6: v1(326.77,688.98) 796.26,688.98 854.33,630.91 1848.13,630.91 1850.4,633.17 2361.52,633.17 2729.33,1000.98 2729.33,1417.32 2607.6,1539.06 v1(2590.55,1539.06)
HDMI0_CLK_N: CM4.190 J2.14 | length 3978.2
  Top Layer w6: v1(200.12,687.52) 202.82,687.52 209.12,681.23 240.03,681.23 J2.14@240.16,681.1 ; CM4.190@2512.26,1840.91 2512.62,1840.55 2545.28,1840.55 v1(2557.85,1853.13)
  Int3 (Sign) w6: v1(200.12,687.52) 202.82,687.52 206.65,683.69 265.12,683.69 310.79,638.02 310.79,485.47 440.46,355.8 2145.18,355.8 2261.81,472.43 2261.81,1445.86 2423.49,1607.54 2479.59,1607.54 2509.36,1637.3 2509.36,1824.45 2525.46,1840.55 2545.28,1840.55 v1(2557.85,1853.13)